# Altium PCB PCB.PcbDoc (part 1 of 3) (continued)
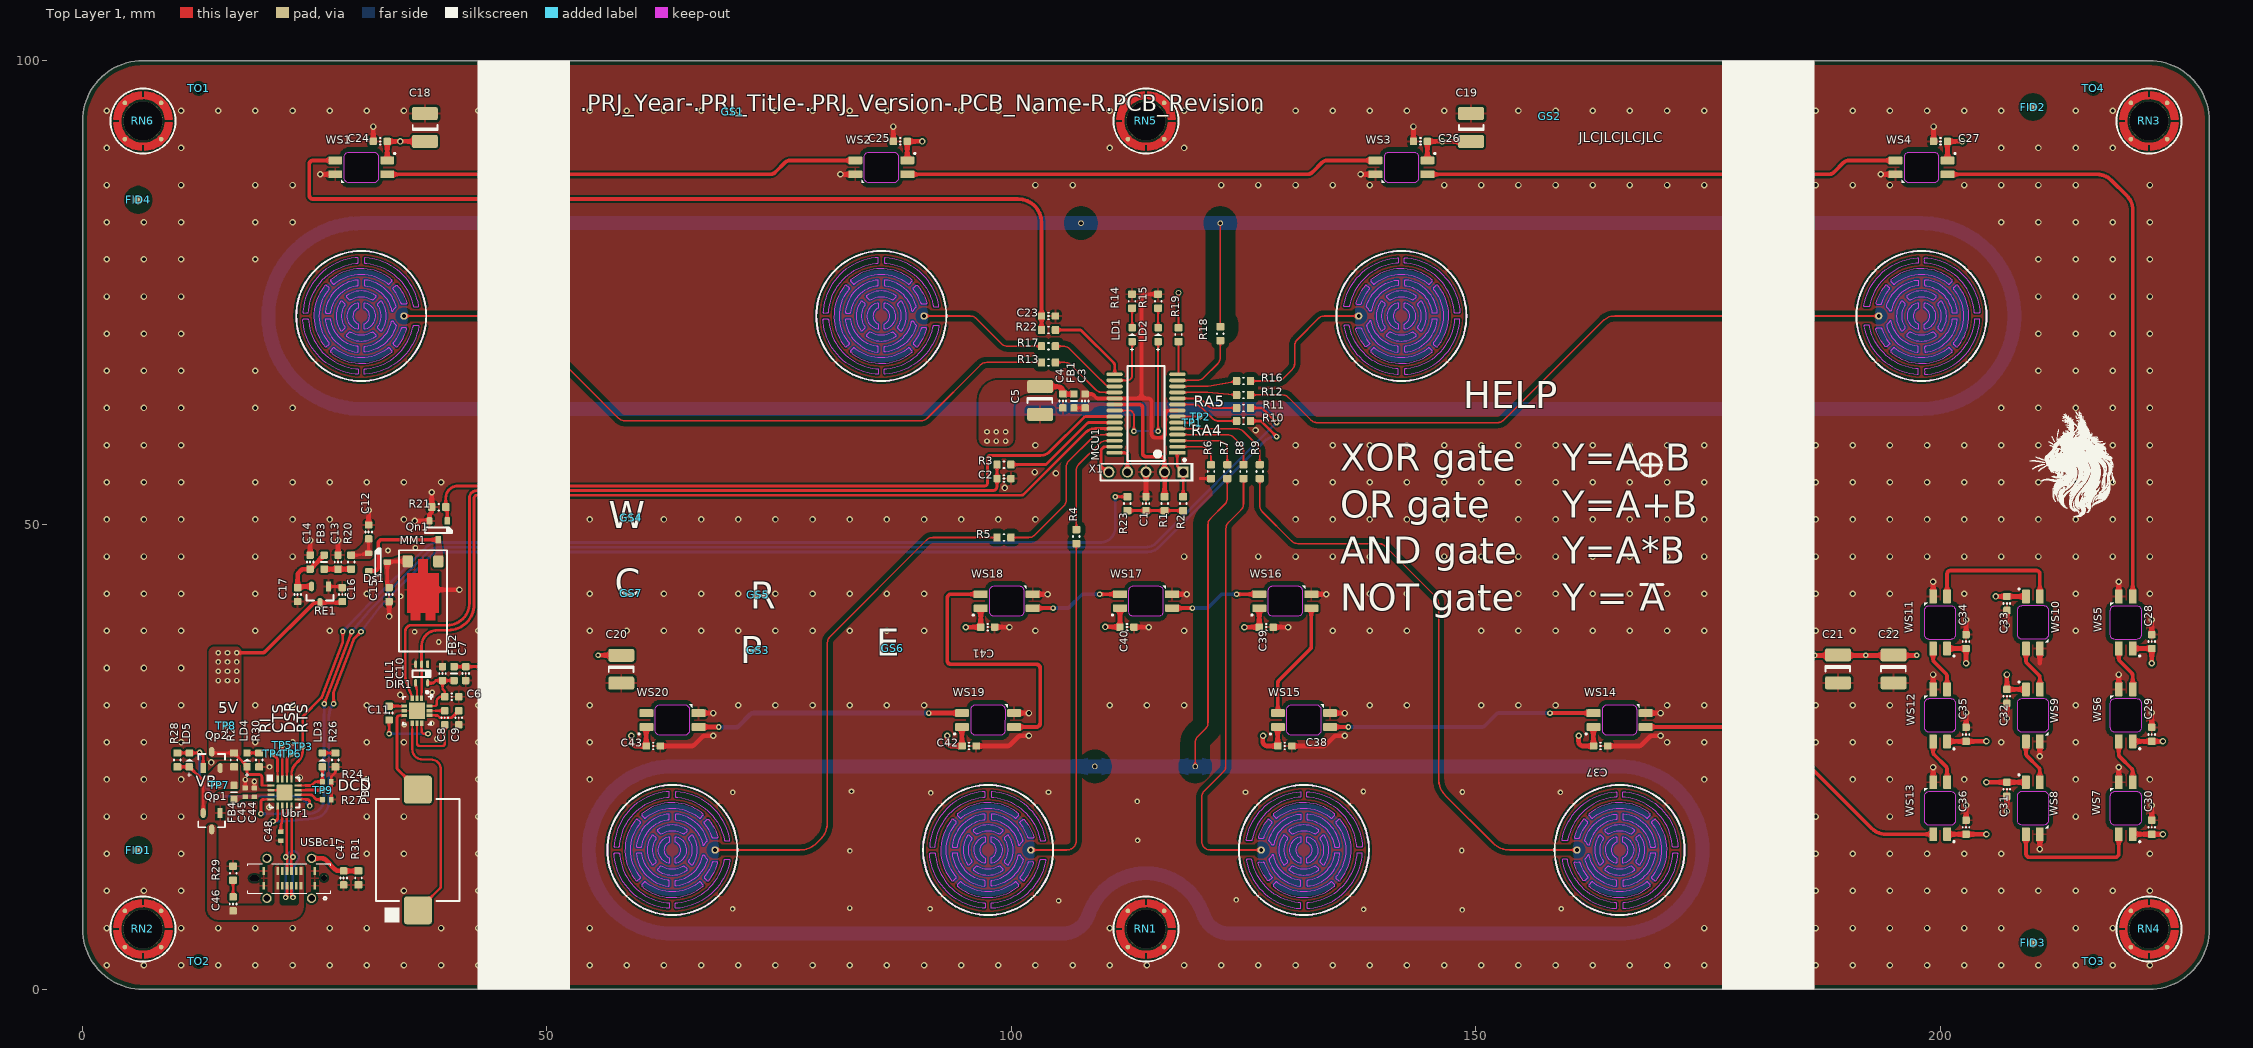
[diagram p0: Top Layer 1 view]
## Components (designator, comment, footprint, x,y, rotation, side; value= is the part's Value field where it differs from the comment) (continued)
R11 "22R ±1% 0603" "RC0603(1608) -1%" 125,62.6 r180 top value="22 Ohm ±1%"
R12 "1K ±1% 0603" "RC0603(1608) -1%" 125,64 r0 top value="1 kOhm±1%"
R13 "1K ±1% 0603" "RC0603(1608) -1%" 104,67.5 r180 top value="1 kOhm±1%"
R14 "2.2K ±1% 0603" "RC0603(1608) -1%" 113,74.1 r270 top value="2.2 kOhm ±1%"
R15 "2.2K ±1% 0603" "RC0603(1608) -1%" 115.8,74.1 r270 top value="2.2 kOhm ±1%"
R16 "1K ±1% 0603" "RC0603(1608) -1%" 125,65.5 r0 top value="1 kOhm±1%"
R17 "1K ±1% 0603" "RC0603(1608) -1%" 104,69.25 r180 top value="1 kOhm±1%"
R18 "1K ±1% 0603" "RC0603(1608) -1%" 122.5,70.6 r90 top value="1 kOhm±1%"
R19 "1K ±1% 0603" "RC0603(1608) -1%" 118,70.5 r270 top value="1 kOhm±1%"
R20 "4.7R ±1% 0603" "RC0603(1608) -1%" 28.92,46 r270 top value="4.7 Ohm ±1%"
R21 "100K ±1%" "RC0603(1608) -1%" 38.35,51.925 r0 top value="100 kOhm ±1%"
R22 "330 R ±1%" "RC0603(1608) -1%" 104,71 r180 top value="330 Ohm ±1%"
R23 "0R ±1% 0603" "RC0603(1608)A J" 112.5,52.3 r270 top value="0 Ohm ±1%"
R24 "4.7K ±1% 0402" RC0402(1005)-1% 26.3,22.35 r0 top value="4.7 kOhm ±1%"
R25 "0R ±1% 0603" "RC0603(1608)A J" 16.305,24.7 r90 top value="0 Ohm ±1%"
R26 "2.2K ±1% 0603" "RC0603(1608) -1%" 27.22,24.7 r90 top value="2.2 kOhm ±1%"
R27 "10K ±1% 0402 50V" RC0402(1005)-1% 26.3,20.435 r0 top value="10 kOhm ±1%"
R28 "220 K ±1%" "RC0603(1608) -1%" 10.2,24.7 r270 top value="220 kOhm ±1%"
R29 "10R ±1% 0603" "RC0603(1608) -1%" 16.2,12.5 r270 top value="10 Ohm ±1%"
R30 "2.2K ±1% 0603" "RC0603(1608) -1%" 19,24.7 r90 top value="2.2 kOhm ±1%"
R31 "330 R ±1%" "RC0603(1608) -1%" 29.7,12 r270 top value="330 Ohm ±1%"
RE1 "XC6206P332MR" FP-SOT23-IPC_C 25.571,42.503 r90 top
RN1 "SMTSO2570CTJ" NUT2.5xL7.0 114.5,6.5 r0 top locked value=M2.5xL7.0mm
RN2 "SMTSO2570CTJ" NUT2.5xL7.0 6.5,6.5 r0 top value=M2.5xL7.0mm
RN3 "SMTSO2570CTJ" NUT2.5xL7.0 222.5,93.5 r0 top locked value=M2.5xL7.0mm
RN4 "SMTSO2570CTJ" NUT2.5xL7.0 222.5,6.5 r0 top locked value=M2.5xL7.0mm
RN5 "SMTSO2570CTJ" NUT2.5xL7.0 114.5,93.5 r0 top locked value=M2.5xL7.0mm
RN6 "SMTSO2570CTJ" NUT2.5xL7.0 6.5,93.5 r0 top locked value=M2.5xL7.0mm
TO1 "1.152mm" Tooling_Holes_1.152MM 12.5,97 r0 top
TO2 "1.152mm" Tooling_Holes_1.152MM 12.5,3 r0 top
TO3 "1.152mm" Tooling_Holes_1.152MM 216.5,3 r0 top
TO4 "1.152mm" Tooling_Holes_1.152MM 216.5,97 r0 top
TP1 "RA4" Test_Point_T_0.6mm 119.5,61.025 r180 top value=SMD
TP2 "RA5" Test_Point_T_0.6mm 120.345,61.675 r180 top value=SMD
TP3 "RTS" Test_Point_T_0.6mm 23.7,26.1 r180 top value=SMD
TP4 "RI" Test_Point_T_0.6mm 20.5,25.35 r180 top value=SMD
TP5 "CTS" Test_Point_T_0.6mm 21.5,26.3 r180 top value=SMD
TP6 "DSR" Test_Point_T_0.6mm 22.483,25.35 r180 top value=SMD
TP7 "VB" Test_Point_T_0.6mm 14.7,22 r180 top value=SMD
TP8 "5V" Test_Point_T_0.6mm 15.4,28.4 r180 top value=SMD
TP9 "DCD" Test_Point_T_0.6mm 25.844,21.45 r180 top value=SMD
TSE1 "Touch Sensors d10mm_Z" "Circle d10mm_NOV1" 30,72.5 r90 bottom
TSE2 "Touch Sensors d10mm_Z" "Circle d10mm_NOV1" 86,72.5 r90 bottom locked
TSE3 "Touch Sensors d10mm_Z" "Circle d10mm_NOV1" 142,72.5 r270 bottom
TSE4 "Touch Sensors d10mm_Z" "Circle d10mm_NOV1" 198,72.5 r270 bottom
TSE5 "Touch Sensors d10mm_Z" "Circle d10mm_NOV1" 63.5,15 r90 bottom
TSE6 "Touch Sensors d10mm_Z" "Circle d10mm_NOV1" 97.5,15 r90 bottom
TSE7 "Touch Sensors d10mm_Z" "Circle d10mm_NOV1" 131.5,15 r270 bottom
TSE8 "Touch Sensors d10mm_Z" "Circle d10mm_NOV1" 165.5,15 r270 bottom
Ubr1 "CH343P" TQFN-16-JLC 21.75,21.2 r270 top
USBc1 "GT-USB-7055E" TYPE-C16PIN-C7450622 22.25,11.95 r180 top
WS1 "SK6812MINI-EA" "SK6812MINI-EA - 1MM" 30,88.5 r180 top
WS2 "SK6812MINI-EA" "SK6812MINI-EA - 1MM" 86,88.5 r180 top
WS3 "SK6812MINI-EA" "SK6812MINI-EA - 1MM" 142,88.5 r180 top
WS4 "SK6812MINI-EA" "SK6812MINI-EA - 1MM" 198,88.5 r180 top
WS5 "SK6812MINI-EA" "SK6812MINI-EA - 1MM" 220,39.5 r90 top
WS6 "SK6812MINI-EA" "SK6812MINI-EA - 1MM" 220,29.5 r90 top
WS7 "SK6812MINI-EA" "SK6812MINI-EA - 1MM" 220,19.5 r90 top
WS8 "SK6812MINI-EA" "SK6812MINI-EA - 1MM" 210,19.5 r270 top
WS9 "SK6812MINI-EA" "SK6812MINI-EA - 1MM" 210,29.5 r270 top
WS10 "SK6812MINI-EA" "SK6812MINI-EA - 1MM" 210,39.5 r270 top
WS11 "SK6812MINI-EA" "SK6812MINI-EA - 1MM" 200,39.5 r90 top
WS12 "SK6812MINI-EA" "SK6812MINI-EA - 1MM" 200,29.5 r90 top
WS13 "SK6812MINI-EA" "SK6812MINI-EA - 1MM" 200,19.5 r90 top
WS14 "SK6812MINI-EA" "SK6812MINI-EA - 1MM" 165.5,29 r0 top
WS15 "SK6812MINI-EA" "SK6812MINI-EA - 1MM" 131.5,29 r0 top
WS16 "SK6812MINI-EA" "SK6812MINI-EA - 1MM" 129.5,41.8 r0 top
WS17 "SK6812MINI-EA" "SK6812MINI-EA - 1MM" 114.5,41.8 r0 top
WS18 "SK6812MINI-EA" "SK6812MINI-EA - 1MM" 99.5,41.8 r0 top
WS19 "SK6812MINI-EA" "SK6812MINI-EA - 1MM" 97.5,29 r0 top
WS20 "SK6812MINI-EA" "SK6812MINI-EA - 1MM" 63.5,29 r0 top
X1 "PL2N-05n" PL2N-05 114.5,55.7 r180 top value=5*2mm

## Footprints (in the part's own frame and the unit in brackets; to place one, negate y for a bottom-side part, rotate by r counter-clockwise, add the part's x,y. Pads: shape width x height; smd on the part's side, far side on the other; paste and mask are expansions set on the pad)
_S_ATTENTION2 [mm] "Graphic symbol"
_S_CE [mm] "Graphic symbol"
_S_JLC [mm] "Graphic symbol"
_S_Pb-free [mm] "Graphic symbol"
_S_Project_CAT [mm] "Graphic symbol"
_S_R [mm] "Graphic symbol"
_S_TR [mm] "Graphic symbol"
CC0402(1005)x0.5 [mm]
  rrect25% 0.5x0.6 smd paste-0.05 mask+0.05: 1(-0.475,0) 2(0.475,0)
  body extent -0.5,-0.25 0.5,0.25, height 0.51
CC0603(1608)x0.8 [mm]
  rrect30% 0.8x0.8 smd paste-0.05 mask+0.05: 1(-0.75,0) 2(0.75,0)
  silkscreen extent -0.05,-0.35 0.05,0.35, body extent -0.8,-0.4 0.8,0.4, height 0.81
"Circle d10mm_NOV1" [mm]
  round 0.8 hole 0.4 paste-2539.97 mask+0.05: 1(0,4.6)
  Top Layer 1 pour cut-out: 0,-7 -2.679,-6.467 -4.95,-4.95 -6.467,-2.679 -7,0 -7,0 -6.467,2.679 -4.95,4.95 -2.679,6.467 0,7 0,7 2.679,6.467 4.95,4.95 6.467,2.679 7,0 7,0 6.467,-2.679 4.95,-4.95 2.679,-6.467 0,-7
  Top Layer 1 region: 0,-5 -1.913,-4.619 -3.536,-3.536 -4.619,-1.913 -5,0 -5,0 -4.619,1.913 -3.536,3.536 -1.913,4.619 0,5 0,5 1.913,4.619 3.536,3.536 4.619,1.913 5,0 5,0 4.619,-1.913 3.536,-3.536 1.913,-4.619 0,-5
  Bottom Layer 2 keep-out region: -1.568,2.199 -0.553,2.643 0.555,2.643 1.57,2.197 1.57,2.197 1.599,2.164 1.612,2.121 1.604,2.078 1.579,2.041 1.579,2.041 1.297,1.758 1.264,1.735 1.225,1.727 1.225,1.727 1.169,1.744 1.108,1.784 1.045,1.821 1.045,1.821 -0.002,2.1 -1.048,1.82 -1.048,1.82 -1.109,1.783 -1.169,1.744 -1.169,1.744 -1.225,1.727 -1.263,1.734 -1.296,1.756 -1.296,1.756 -1.578,2.043 -1.603,2.079 -1.61,2.123 -1.598,2.166 -1.568,2.199
  Bottom Layer 2 keep-out region: 2.199,1.568 2.643,0.553 2.643,-0.555 2.197,-1.57 2.197,-1.57 2.164,-1.599 2.121,-1.612 2.078,-1.604 2.041,-1.579 2.041,-1.579 1.758,-1.297 1.735,-1.264 1.727,-1.225 1.727,-1.225 1.744,-1.169 1.784,-1.108 1.821,-1.045 1.821,-1.045 2.1,0.002 1.82,1.048 1.82,1.048 1.783,1.109 1.744,1.169 1.744,1.169 1.727,1.225 1.734,1.263 1.756,1.296 1.756,1.296 2.043,1.578 2.079,1.603 2.123,1.61 2.166,1.598 2.199,1.568
  Bottom Layer 2 keep-out region: 1.568,-2.199 0.553,-2.643 -0.555,-2.643 -1.57,-2.197 -1.57,-2.197 -1.599,-2.164 -1.612,-2.121 -1.604,-2.078 -1.579,-2.041 -1.579,-2.041 -1.297,-1.758 -1.264,-1.735 -1.225,-1.727 -1.225,-1.727 -1.169,-1.744 -1.108,-1.784 -1.045,-1.821 -1.045,-1.821 0.002,-2.1 1.048,-1.82 1.048,-1.82 1.109,-1.783 1.169,-1.744 1.169,-1.744 1.225,-1.727 1.263,-1.734 1.296,-1.756 1.296,-1.756 1.578,-2.043 1.603,-2.079 1.61,-2.123 1.598,-2.166 1.568,-2.199
  Bottom Layer 2 keep-out region: -2.199,-1.568 -2.643,-0.553 -2.643,0.555 -2.197,1.57 -2.197,1.57 -2.164,1.599 -2.121,1.612 -2.078,1.604 -2.041,1.579 -2.041,1.579 -1.758,1.297 -1.735,1.264 -1.727,1.225 -1.727,1.225 -1.744,1.169 -1.784,1.108 -1.821,1.045 -1.821,1.045 -2.1,-0.002 -1.82,-1.048 -1.82,-1.048 -1.783,-1.109 -1.744,-1.169 -1.744,-1.169 -1.727,-1.225 -1.734,-1.263 -1.756,-1.296 -1.756,-1.296 -2.043,-1.578 -2.079,-1.603 -2.123,-1.61 -2.166,-1.598 -2.199,-1.568
  Bottom Layer 2 keep-out region: 1.43,-0.455 1.433,-0.409 1.415,-0.365 1.379,-0.335 1.333,-0.325 1.333,-0.325 0.909,-0.324 0.871,-0.331 0.837,-0.351 0.814,-0.382 0.814,-0.382 0.768,-0.468 0.441,-0.784 0.001,-0.9 -0.439,-0.785 -0.767,-0.469 -0.767,-0.469 -0.814,-0.382 -0.837,-0.351 -0.87,-0.331 -0.909,-0.325 -0.909,-0.325 -1.333,-0.325 -1.372,-0.332 -1.405,-0.354 -1.427,-0.387 -1.434,-0.425 -1.434,-0.425 -1.43,-0.456 -1.365,-0.624 -1.28,-0.783 -1.28,-0.783 -0.803,-1.267 -0.162,-1.492 0.513,-1.41 1.082,-1.039 1.43,-0.455
  Bottom Layer 2 keep-out region: -1.43,0.455 -1.433,0.409 -1.415,0.365 -1.379,0.335 -1.333,0.325 -1.333,0.325 -0.909,0.324 -0.871,0.331 -0.837,0.351 -0.814,0.382 -0.814,0.382 -0.768,0.468 -0.441,0.784 -0.001,0.9 0.439,0.785 0.767,0.469 0.767,0.469 0.814,0.382 0.837,0.351 0.87,0.331 0.909,0.325 0.909,0.325 1.333,0.325 1.372,0.332 1.405,0.354 1.427,0.387 1.434,0.425 1.434,0.425 1.43,0.456 1.365,0.624 1.28,0.783 1.28,0.783 0.803,1.267 0.162,1.492 -0.513,1.41 -1.082,1.039 -1.43,0.455
  Bottom Layer 2 keep-out region: -3.9,-3.287 -3.973,-3.199 -4.043,-3.109 -4.043,-3.109 -4.995,-1.032 -4.944,1.253 -3.901,3.286 -3.901,3.286 -3.87,3.311 -3.832,3.321 -3.793,3.317 -3.759,3.298 -3.759,3.298 -3.463,3.048 -3.43,3.012 -3.418,2.964 -3.418,2.964 -3.424,2.929 -3.441,2.899 -3.441,2.899 -3.504,2.822 -3.566,2.744 -3.566,2.744 -4.392,0.976 -4.393,-0.975 -3.567,-2.743 -3.567,-2.743 -3.505,-2.822 -3.441,-2.899 -3.441,-2.899 -3.423,-2.93 -3.417,-2.964 -3.417,-2.964 -3.427,-3.007 -3.453,-3.041 -3.453,-3.041 -3.758,-3.298 -3.793,-3.317 -3.832,-3.322 -3.869,-3.311 -3.9,-3.287
  Bottom Layer 2 keep-out region: -6.286,0.431 -6.28,0.39 -6.258,0.355 -6.223,0.331 -6.182,0.324 -6.182,0.324 -5.973,0.326 -5.786,0.322 -5.738,0.334 -5.701,0.368 -5.685,0.415 -5.684,0.415 -5.677,0.504 -5.669,0.593 -5.669,0.593 -4.945,2.834 -3.378,4.59 -1.235,5.564 -1.235,5.564 -1.158,5.581 -1.081,5.596 -1.081,5.596 -1.039,5.615 -1.01,5.65 -1,5.695 -1,5.695 -1,6 -1,6.101 -1.01,6.144 -1.036,6.179 -1.075,6.199 -1.119,6.2 -1.119,6.2 -3.66,5.129 -5.499,3.074 -6.286,0.431
  Bottom Layer 2 keep-out region: 6.286,0.431 6.28,0.39 6.258,0.355 6.223,0.331 6.182,0.324 6.182,0.324 5.973,0.326 5.786,0.322 5.738,0.334 5.701,0.368 5.685,0.415 5.684,0.415 5.677,0.504 5.669,0.593 5.669,0.593 4.945,2.834 3.378,4.59 1.235,5.564 1.235,5.564 1.158,5.581 1.081,5.596 1.081,5.596 1.039,5.615 1.01,5.65 1,5.695 1,5.695 1,6 1,6.101 1.01,6.144 1.036,6.179 1.075,6.199 1.119,6.2 1.119,6.2 3.66,5.129 5.499,3.074 6.286,0.431
  Bottom Layer 2 keep-out region: 0.327,-5.964 0.326,-5.786 0.337,-5.738 0.371,-5.7 0.419,-5.684 0.419,-5.684 0.507,-5.677 0.596,-5.668 0.596,-5.668 3.02,-4.834 4.834,-3.02 5.668,-0.596 5.668,-0.596 5.677,-0.506 5.684,-0.415 5.684,-0.415 5.701,-0.368 5.738,-0.334 5.787,-0.322 5.787,-0.322 5.975,-0.327 6.18,-0.324 6.22,-0.33 6.255,-0.352 6.278,-0.385 6.286,-0.424 6.286,-0.424 6.286,-0.431 6.277,-0.545 6.266,-0.659 6.266,-0.659 5.343,-3.339 3.339,-5.343 0.659,-6.266 0.659,-6.266 0.545,-6.277 0.432,-6.286 0.432,-6.286 0.391,-6.28 0.356,-6.258 0.332,-6.225 0.324,-6.184 0.324,-6.184
  Bottom Layer 2 keep-out region: -0.319,-5.964 -0.318,-5.786 -0.33,-5.738 -0.364,-5.7 -0.411,-5.684 -0.411,-5.684 -0.5,-5.677 -0.588,-5.668 -0.588,-5.668 -3.013,-4.834 -4.826,-3.02 -5.661,-0.596 -5.661,-0.596 -5.67,-0.506 -5.677,-0.415 -5.677,-0.415 -5.693,-0.368 -5.731,-0.334 -5.78,-0.322 -5.78,-0.322 -5.967,-0.327 -6.173,-0.324 -6.213,-0.33 -6.247,-0.352 -6.27,-0.385 -6.278,-0.424 -6.278,-0.424 -6.278,-0.431 -6.269,-0.545 -6.258,-0.659 -6.258,-0.659 -5.336,-3.339 -3.331,-5.343 -0.651,-6.266 -0.651,-6.266 -0.538,-6.277 -0.424,-6.286 -0.424,-6.286 -0.383,-6.28 -0.348,-6.258 -0.325,-6.225 -0.317,-6.184 -0.317,-6.184
  Bottom Layer 2 keep-out region: -1.355,4.291 -1.426,4.268 -1.496,4.243 -1.496,4.243 -2.147,3.954 -2.745,3.565 -2.745,3.566 -2.821,3.505 -2.896,3.444 -2.896,3.444 -2.935,3.423 -2.98,3.422 -3.02,3.44 -3.049,3.473 -3.049,3.473 -3.292,3.759 -3.312,3.79 -3.319,3.827 -3.319,3.827 -3.317,3.856 -3.304,3.883 -3.283,3.903 -3.283,3.903 -2.401,4.5 -1.414,4.9 -1.414,4.9 -1.367,4.903 -1.325,4.883 -1.295,4.846 -1.286,4.8 -1.286,4.8 -1.29,4.593 -1.284,4.387 -1.284,4.387 -1.293,4.346 -1.318,4.312 -1.355,4.291
  Bottom Layer 2 keep-out region: 3.287,-3.9 3.199,-3.973 3.109,-4.043 3.109,-4.043 1.032,-4.995 -1.253,-4.944 -3.286,-3.901 -3.286,-3.901 -3.311,-3.87 -3.321,-3.832 -3.317,-3.793 -3.298,-3.759 -3.298,-3.759 -3.048,-3.463 -3.012,-3.43 -2.964,-3.418 -2.964,-3.418 -2.929,-3.424 -2.899,-3.441 -2.899,-3.441 -2.822,-3.504 -2.744,-3.566 -2.744,-3.566 -0.976,-4.392 0.975,-4.393 2.743,-3.567 2.743,-3.567 2.822,-3.505 2.899,-3.441 2.899,-3.441 2.93,-3.423 2.964,-3.417 2.964,-3.417 3.007,-3.427 3.041,-3.453 3.041,-3.453 3.298,-3.758 3.317,-3.793 3.322,-3.832 3.311,-3.869 3.287,-3.9
  Bottom Layer 2 keep-out region: 3.9,3.287 3.973,3.199 4.043,3.109 4.043,3.109 4.995,1.032 4.944,-1.253 3.901,-3.286 3.901,-3.286 3.87,-3.311 3.832,-3.321 3.793,-3.317 3.759,-3.298 3.759,-3.298 3.463,-3.048 3.43,-3.012 3.418,-2.964 3.418,-2.964 3.424,-2.929 3.441,-2.899 3.441,-2.899 3.504,-2.822 3.566,-2.744 3.566,-2.744 4.392,-0.976 4.393,0.975 3.567,2.743 3.567,2.743 3.505,2.822 3.441,2.899 3.441,2.899 3.423,2.93 3.417,2.964 3.417,2.964 3.427,3.007 3.453,3.041 3.453,3.041 3.758,3.298 3.793,3.317 3.832,3.322 3.869,3.311 3.9,3.287
  Bottom Layer 2 keep-out region: 0.436,-3.876 0.394,-3.872 0.357,-3.851 0.333,-3.817 0.324,-3.775 0.324,-3.775 0.325,-3.374 0.336,-3.327 0.368,-3.291 0.412,-3.274 0.412,-3.274 0.492,-3.263 0.572,-3.25 0.572,-3.25 1.813,-2.757 2.757,-1.813 3.25,-0.573 3.25,-0.573 3.263,-0.493 3.274,-0.413 3.274,-0.413 3.291,-0.368 3.327,-0.336 3.373,-0.325 3.373,-0.325 3.777,-0.326 3.827,-0.339 3.863,-0.376 3.876,-0.426 3.876,-0.426 3.876,-0.437 3.86,-0.557 3.841,-0.677 3.841,-0.677 3.213,-2.211 2.006,-3.345 0.436,-3.876
  Bottom Layer 2 keep-out region: -3.876,-0.436 -3.872,-0.394 -3.851,-0.357 -3.817,-0.333 -3.775,-0.324 -3.775,-0.324 -3.374,-0.325 -3.327,-0.336 -3.291,-0.368 -3.274,-0.412 -3.274,-0.412 -3.263,-0.492 -3.25,-0.572 -3.25,-0.572 -2.757,-1.813 -1.813,-2.757 -0.573,-3.25 -0.573,-3.25 -0.493,-3.263 -0.413,-3.274 -0.413,-3.274 -0.368,-3.291 -0.336,-3.327 -0.325,-3.373 -0.325,-3.373 -0.326,-3.777 -0.339,-3.827 -0.376,-3.863 -0.426,-3.876 -0.426,-3.876 -0.437,-3.876 -0.557,-3.86 -0.677,-3.841 -0.677,-3.841 -2.211,-3.213 -3.345,-2.006 -3.876,-0.436
  Bottom Layer 2 keep-out region: -3.876,0.437 -3.872,0.395 -3.851,0.359 -3.817,0.334 -3.776,0.325 -3.776,0.325 -3.367,0.325 -3.32,0.337 -3.284,0.368 -3.267,0.413 -3.267,0.413 -2.959,1.453 -2.329,2.337 -2.329,2.337 -1.713,2.82 -1,3.145 -1,3.145 -0.951,3.165 -0.781,3.211 -0.609,3.249 -0.609,3.249 -0.567,3.268 -0.538,3.303 -0.528,3.348 -0.528,3.348 -0.535,3.385 -0.555,3.417 -0.586,3.439 -0.586,3.439 -0.783,3.57 -0.959,3.727 -0.959,3.727 -0.988,3.748 -1.023,3.757 -1.059,3.754 -1.059,3.754 -1.12,3.736 -1.182,3.717 -1.182,3.717 -2.487,3.005 -3.431,1.856 -3.876,0.437
  Bottom Layer 2 keep-out region: 3.876,0.437 3.872,0.395 3.851,0.359 3.817,0.334 3.776,0.325 3.776,0.325 3.367,0.325 3.32,0.337 3.284,0.368 3.267,0.413 3.267,0.413 2.959,1.453 2.329,2.337 2.329,2.337 1.713,2.82 1,3.145 1,3.145 0.951,3.165 0.781,3.211 0.609,3.249 0.609,3.249 0.567,3.268 0.538,3.303 0.528,3.348 0.528,3.348 0.535,3.385 0.555,3.417 0.586,3.439 0.586,3.439 0.783,3.57 0.959,3.727 0.959,3.727 0.988,3.748 1.023,3.757 1.059,3.754 1.059,3.754 1.12,3.736 1.182,3.717 1.182,3.717 2.487,3.005 3.431,1.856 3.876,0.437
  Bottom Layer 2 keep-out region: 1.355,4.291 1.426,4.268 1.496,4.243 1.496,4.243 2.147,3.954 2.745,3.565 2.745,3.566 2.821,3.505 2.896,3.444 2.896,3.444 2.935,3.423 2.98,3.422 3.02,3.44 3.049,3.473 3.049,3.473 3.292,3.759 3.312,3.79 3.319,3.827 3.319,3.827 3.317,3.856 3.304,3.883 3.283,3.903 3.283,3.903 2.401,4.5 1.414,4.9 1.414,4.9 1.367,4.903 1.325,4.883 1.295,4.846 1.286,4.8 1.286,4.8 1.29,4.593 1.284,4.387 1.284,4.387 1.293,4.346 1.318,4.312 1.355,4.291
  Bottom Layer 2 keep-out lines w0.2: -4.64,-5.242 ccw(c0,0) 4.639,-5.242 ; -5.241,-4.64 cw(c0,0) -5.241,4.64 ; 5.242,-4.639 ccw(c0,0) 5.24,4.641 ; -4.64,5.242 cw(c0,0) -1.101,6.913 ; 4.638,5.243 ccw(c0,0) 1.102,6.913
"Connection point" [mm] "d2mm"
  rrect50% 2x2 / inner round 1 / far side round 0.6 hole 0.4 paste-2539.97 mask+0.05: 1(0,0)
Cy-SMD-1102-5041 [mm] "Externally Driven 70dB@5V,10cm Externally Driven 4100Hz SMD,9x11mm"
  rrect20% 3x3 smd paste-0.05 mask+0.05: 1(-6.5,0) 2(6.5,0)
  silkscreen extent -7.8,-4.5 5.5,4.5, body extent -7.5,-4.5 7.5,4.5, height 1.75
FB0603(1608) [mm]
  rrect30% 0.8x0.8 smd paste-0.05 mask+0.05: 1(-0.75,0) 2(0.75,0)
  silkscreen extent 0,-0.33 0,0.33, body extent -0.8,-0.4 0.8,0.4, height 0.8
"Fiducial marker top" [mm] "Fiducial marker"
  round 1 smd paste-0.5 mask+0.5: 1(0,0)
  Top Layer 1 pour cut-out: -1.5,0 -1.299,-0.75 -0.75,-1.299 0,-1.5 0,-1.5 0.75,-1.299 1.299,-0.75 1.5,0 1.5,0 1.386,0.574 1.061,1.061 0.574,1.386 0,1.5 0,1.5 -0.574,1.386 -1.061,1.061 -1.386,0.574 -1.5,0
FP-C04-073-IPC_C [mm]
  rect 1.753x0.415 smd paste-0.05 mask+0.05: 1(-3.375,4.225)
  rrect100% 1.753x0.415 smd paste-0.05 mask+0.05: 2(-3.375,3.575) 3(-3.375,2.925) 4(-3.375,2.275) 5(-3.375,1.625) 6(-3.375,0.975) 7(-3.375,0.325) 8(-3.375,-0.325) 9(-3.375,-0.975) 10(-3.375,-1.625) 11(-3.375,-2.275) 12(-3.375,-2.925) 13(-3.375,-3.575) 14(-3.375,-4.225) 15(3.375,-4.225) 16(3.375,-3.575) 17(3.375,-2.925) 18(3.375,-2.275) 19(3.375,-1.625) 20(3.375,-0.975) 21(3.375,-0.325) 22(3.375,0.325) 23(3.375,0.975) 24(3.375,1.625) 25(3.375,2.275) 26(3.375,2.925) 27(3.375,3.575) 28(3.375,4.225)
  silkscreen extent -4.28,-5.1 2,5.12, body extent -3.91,-5.1 3.91,5.1, height 2
FP-SOT23-IPC_C [mm]
  rect 1.059x0.547 smd paste-0.05 mask+0.05: 1(0.877,-0.915)
  rrect100% 1.059x0.547 smd paste-0.05 mask+0.05: 2(0.877,0.915) 3(-0.877,0)
  silkscreen extent -0.65,-1.45 -0.03,1.45, body extent -1.2,-1.45 1.2,1.45, height 1.1
FP-U-QFN3030-12_Type_B-IPC_C [mm]
  rect 0.6x0.35 smd paste+0 mask+0: 1(-1.35,0.5) 2(-1.35,0) 3(-1.35,-0.5) 7(1.35,-0.5) 8(1.35,0) 9(1.35,0.506)
  rect 0.35x0.6 smd paste+0 mask+0: 4(-0.5,-1.35) 5(0,-1.35) 6(0.506,-1.35) 10(0.5,1.35) 11(0,1.35) 12(-0.5,1.35)
  rect 1.75x1.75 smd paste-1000 mask+0: 13(0,0)
  silkscreen extent -2.12,-1.5 1.5,1.7, body extent -1.5,-1.5 1.5,1.5, height 0.6
"LD0603 RED" [mm]
  rrect20% 0.8x0.8 smd paste-0.05 mask+0.05: 1(-0.75,0) 2(0.75,0)
  silkscreen extent -0.15,-0.4 1.8,0.4, body extent -0.8,-0.4 0.8,0.4, height 0.7
"LD0603 YELLOW" [mm]
  rrect20% 0.8x0.8 smd paste-0.05 mask+0.05: 1(-0.75,0) 2(0.75,0)
  silkscreen extent -0.15,-0.4 1.8,0.4, body extent -0.8,-0.4 0.8,0.4, height 0.7
NUT2.5xL7.0 [mm] "for use assembly, Plated through hole not required"
  round 0.5 smd paste-2539.97 mask+0.05: 1(-1.95,-1.95) 1(-1.95,1.95) 1(1.95,-1.95) 1(1.95,1.95)
  round 4.22 hole 4.22 unplated paste-2539.97 mask+0.05: MH(0,0)
  Top Layer 1 region: -3.1,-0.15 -2.597,-0.15 -2.574,-0.144 -2.556,-0.126 -2.55,-0.103 -2.55,-0.102 -2.55,0.1 -2.554,0.119 -2.565,0.135 -2.581,0.146 -2.6,0.15 -2.6,0.15 -3.1,0.15 -3.138,0.158 -3.17,0.18 -3.19,0.213 -3.196,0.251 -3.196,0.251 -2.759,1.693 -1.693,2.759 -0.251,3.196 -0.251,3.196 -0.213,3.19 -0.18,3.17 -0.158,3.138 -0.15,3.1 -0.15,3.1 -0.15,2.6 -0.146,2.581 -0.135,2.565 -0.119,2.554 -0.1,2.55 -0.1,2.55 0.1,2.55 0.125,2.557 0.143,2.575 0.15,2.6 0.15,2.6 0.15,3.1 0.158,3.138 0.18,3.17 0.213,3.19 0.251,3.196 0.251,3.196 1.693,2.759 2.759,1.693 3.196,0.251 3.196,0.251 3.19,0.213 3.17,0.18 3.138,0.158 3.1,0.15 3.1,0.15 2.55,0.15 2.45,0.15 2.399,0.163 2.36,0.199 2.342,0.249 2.342,0.249 1.963,1.327 1.113,2.09 0,2.35 0,2.35 -1.17,2.028 -2.028,1.17 -2.35,0 -2.35,0 -2.171,-0.9 -1.661,-1.662 -0.898,-2.171 0.002,-2.35 0.002,-2.35 1.103,-2.076 1.946,-1.318 2.336,-0.253 2.336,-0.253 2.355,-0.2 2.396,-0.163 2.45,-0.15 2.45,-0.15 3.1,-0.15 3.138,-0.158 3.17,-0.18 3.19,-0.213 3.196,-0.251 3.196,-0.251 2.759,-1.694 1.694,-2.759 0.251,-3.196 0.251,-3.196 0.213,-3.19 0.18,-3.17 0.158,-3.138 0.15,-3.1 0.15,-3.1 0.15,-2.6 0.146,-2.581 0.135,-2.565 0.119,-2.554 0.1,-2.55 0.1,-2.55 -0.1,-2.55 -0.119,-2.554 -0.135,-2.565 -0.146,-2.581 -0.15,-2.6 -0.15,-2.6 -0.15,-3.1 -0.158,-3.138 -0.18,-3.17 -0.213,-3.191 -0.251,-3.196 -0.251,-3.196 -1.693,-2.759 -2.759,-1.693 -3.196,-0.251 -3.196,-0.251 -3.19,-0.213 -3.17,-0.18 -3.138,-0.158 -3.1,-0.15
  silkscreen extent -3.5,-3.5 3.5,3.5, body extent -2.78,-2.77 2.78,2.77, height 7
PL2N-05 [mm] "2.00 mm"
  rect 1.2x1.2 hole 0.8 paste-2539.97 mask+0.05: 1(-4,0)
  round 1.2 hole 0.8 paste-2539.97 mask+0.05: 2(-2,0) 3(0,0) 4(2,0) 5(4,0)
  silkscreen extent -5.12,-1 4.9,1
RC0402(1005)-1% [mm]
  rrect25% 0.5x0.6 smd paste-0.05 mask+0.05: 1(-0.475,0) 2(0.475,0)
  body extent -0.5,-0.25 0.5,0.25, height 0.36
"RC0603(1608) -1%" [mm]
  rrect30% 0.8x0.87 smd paste-0.05 mask+0.05: 1(-0.75,0) 2(0.75,0)
  silkscreen extent -0.05,-0.35 0.05,0.35, body extent -0.8,-0.4 0.8,0.4, height 0.45
"RC0603(1608)A J" [mm]
  rrect30% 0.8x0.87 smd paste-0.05 mask+0.05: 1(-0.75,0) 2(0.75,0)
  silkscreen extent -0.05,-0.35 0.05,0.35, body extent -0.8,-0.4 0.8,0.4, height 0.45
"SK6812MINI-EA - 1MM" [mm] "through the board"
  rrect20% 1.5x0.82 smd paste-0.05 mask+0.05: 1(-2.8,-0.75) 2(-2.8,0.75) 3(2.8,0.75) 4(2.8,-0.75)
  Keep-Out Layer board cut-out: 1.818,1.15 1.817,-1.15 1.818,-1.15 1.78,-1.341 1.672,-1.504 1.51,-1.612 1.318,-1.65 1.318,-1.65 -1.332,-1.65 -1.523,-1.612 -1.685,-1.504 -1.794,-1.341 -1.832,-1.15 -1.832,-1.15 -1.831,1.15 -1.793,1.341 -1.685,1.504 -1.523,1.612 -1.332,1.65 -1.332,1.65 1.318,1.65 1.51,1.612 1.672,1.504 1.78,1.341 1.818,1.15
  silkscreen extent -3.67,-1.57 2.13,1.68, body extent -2.71,-1.4 2.71,1.4, height 1.39
SOT353-5-TSSOP-M [mm]
  rrect30% 0.8x0.3 smd paste-0.05 mask+0.05: 1(1,-0.65)
  oval 0.8x0.3 smd paste-0.05 mask+0.05: 2(1,0) 3(1,0.65) 4(-1,0.65) 5(-1,-0.65)
  silkscreen extent -0.35,-0.95 0.35,0.98, body extent -1.05,-1 1.05,1, height 0.9
"SOT-23 - pdf" [mm] "www.cj-elec.com"
  rrect30% 0.8x0.6 smd paste-0.05 mask+0.05: 1(1.01,-0.95) 2(1.01,0.95) 3(-1.01,0)
  silkscreen extent -0.3,-1.46 0.29,1.45, body extent -1.27,-1.5 1.23,1.5, height 1.09
TANTAL_B [mm]
  rrect30% 1.4x2.8 smd paste-0.05 mask+0.05: 1(-1.5,0) 2(1.5,0)
  silkscreen extent -0.3,-1.35 0.3,1.35, body extent -1.75,-1.4 1.75,1.4, height 1.9
Test_Point_T_0.6mm [mm] "PC Test Point, P0.6,C0.8"
  round 0.6 smd paste-0.3 mask+0.05: 1(0,0)
Tooling_Holes_1.152MM [mm] "for assembly JLC"
  round 1.152 hole 1.152 unplated paste-2539.97 mask+0.1: 1(0,0)
TQFN-16-JLC [mm] "TQFN-16_L3.0-W3.0-P0.50-BL-EP1.7"
  rrect30% 0.25x0.75 smd paste+0 mask+0.05: 1(-0.75,-1.45) 2(-0.25,-1.45) 3(0.25,-1.45) 4(0.75,-1.45) 9(0.75,1.45) 10(0.25,1.45) 11(-0.25,1.45) 12(-0.75,1.45)
  rrect30% 0.75x0.25 smd paste+0 mask+0.05: 5(1.45,-0.75) 6(1.45,-0.25) 7(1.45,0.25) 8(1.45,0.75) 13(-1.45,0.75) 14(-1.45,0.249) 15(-1.45,-0.25) 16(-1.45,-0.75)
  rrect10% 1.7x1.7 smd paste-0.312 mask+0.05: 17(0,0)
  silkscreen extent -1.95,-1.95 1.63,1.59, body extent -1.52,-1.55 1.52,1.49, height 0.9
TYPE-C16PIN-C7450622 [mm] "C7450622"
  rect 0.3x0.85 smd paste-0.05 mask+0.05: A1(-2.75,0.8) A4(-1.25,0.8) A5(-0.75,0.8) A6(-0.25,0.8) A7(0.25,0.8) A8(0.75,0.8) A9(1.25,0.8) A12(2.75,0.8) B1(2.75,-0.8) B4(1.25,-0.8) B5(0.75,-0.8) B6(0.25,-0.8) B7(-0.25,-0.8) B8(-0.75,-0.8) B9(-1.25,-0.8) B12(-2.75,-0.8)
  round 0.65 hole 0.65 paste-2539.97 mask+0.05: MH(-3.75,-0.05)
  oval 1x0.65 hole 0.65 slot 1 at 0 deg unplated paste-2539.97 mask+0.05: MH(3.75,0)
  round 1 hole 0.7 paste-2539.97 mask+0.05: SH(-2.4,2.15) SH(-2.4,-2.15) SH(2.4,2.15) SH(2.4,-2.15)
  silkscreen extent -4.47,-1.59 4.47,2.3, body extent -4.42,-2.27 4.42,2.27, height 5.9
VibrationMotor [mm]
  rrect30% 1.3x1.1 smd paste-0.05 mask+0.05: 1(3.4,1.65) 2(3.4,-1.65)
  round 0.025 smd paste-1.7 mask+0.05: 3(0.35,0)
  Top Layer 1 region: 3.65,-0.5 2.15,-0.5 2.15,-1.7 -2.15,-1.7 -2.15,-1.3 -2.95,-1.3 -2.95,-0.3 -2.15,-0.3 -2.15,0.3 -2.95,0.3 -2.95,1.3 -2.15,1.3 -2.15,1.7 2.15,1.7 2.15,0.5 3.65,0.5
  silkscreen extent -6.3,-2.6 4.6,2.6, body extent -6.25,-2.15 4.55,2.14, height 3.59

## Part data
C1 C3 C4 C6 C7 C10 C12 C13 C14 C15 C24 C25 C26 C27 C28 C29 C30 C31 C32 C33 C34 C35 C36 C37 C38 C39 C40 C41 C42 C43 C47: library part "0603 0.1 uF (B)", "100 nF ±10% 50V X7R", Case/Package=0603, Manufacturer 1=YAGEO, Manufacturer Part Number 1=CC0603KRX7R9BB104, Operating Temperature="-55C to +125C", Supplier Part Number 1=C14663, Temperature Coefficient=X7R, Tolerance=±10%, Voltage=50V, Assembly type="Basic Part", Detailed Description="50V 100nF X7R ±10% 0603  Multilayer Ceramic Capacitors MLCC - SMD/SMT ROHS", Footprint check status=Verified, HelpURL=https://datasheet.lcsc.com/lcsc/1809301912_YAGEO-CC0603KRX7R9BB104_C14663.pdf, MountType=SMD, Note="Ceramic Capacitors", Publisher="Catcatcat Electronics", QuantityElements=1, Supplier 1=LCSC, Supplier Unit Price 1=0.0021, Supplier URL 1=https://jlcpcb.com/parts/componentSearch?searchTxt=, website developer=http://catcatcat.d-lan.dp.ua/
C2: library part "0603 0.01 uF (B)", "10 nF ±10% 50V X7R", Case/Package=0603, Manufacturer 1="Guangdong Fenghua Advanced Tech", Manufacturer Part Number 1=0603B103K500NT, Operating Temperature="-55C to +125C", Supplier Part Number 1=C57112, Temperature Coefficient=X7R, Tolerance=±10%, Voltage=50V, Assembly type="Basic Part", Detailed Description="50V 10nF X7R ±10% 0603  Multilayer Ceramic Capacitors MLCC - SMD/SMT ROHS", Footprint check status=Verified, HelpURL=https://datasheet.lcsc.com/szlcsc/Guangdong-Fenghua-Advanced-Tech-0603B103K500NT_C57112.pdf, MountType=SMD, Note="Ceramic Capacitors", Publisher="Catcatcat Electronics", QuantityElements=1, Supplier 1=LCSC, Supplier Unit Price 1=0.0012, Supplier URL 1=https://jlcpcb.com/parts/componentSearch?searchTxt=, website developer=http://catcatcat.d-lan.dp.ua/